# Altium PCB 全兼容主控.PCBDOC (part 8 of 9) (continued)
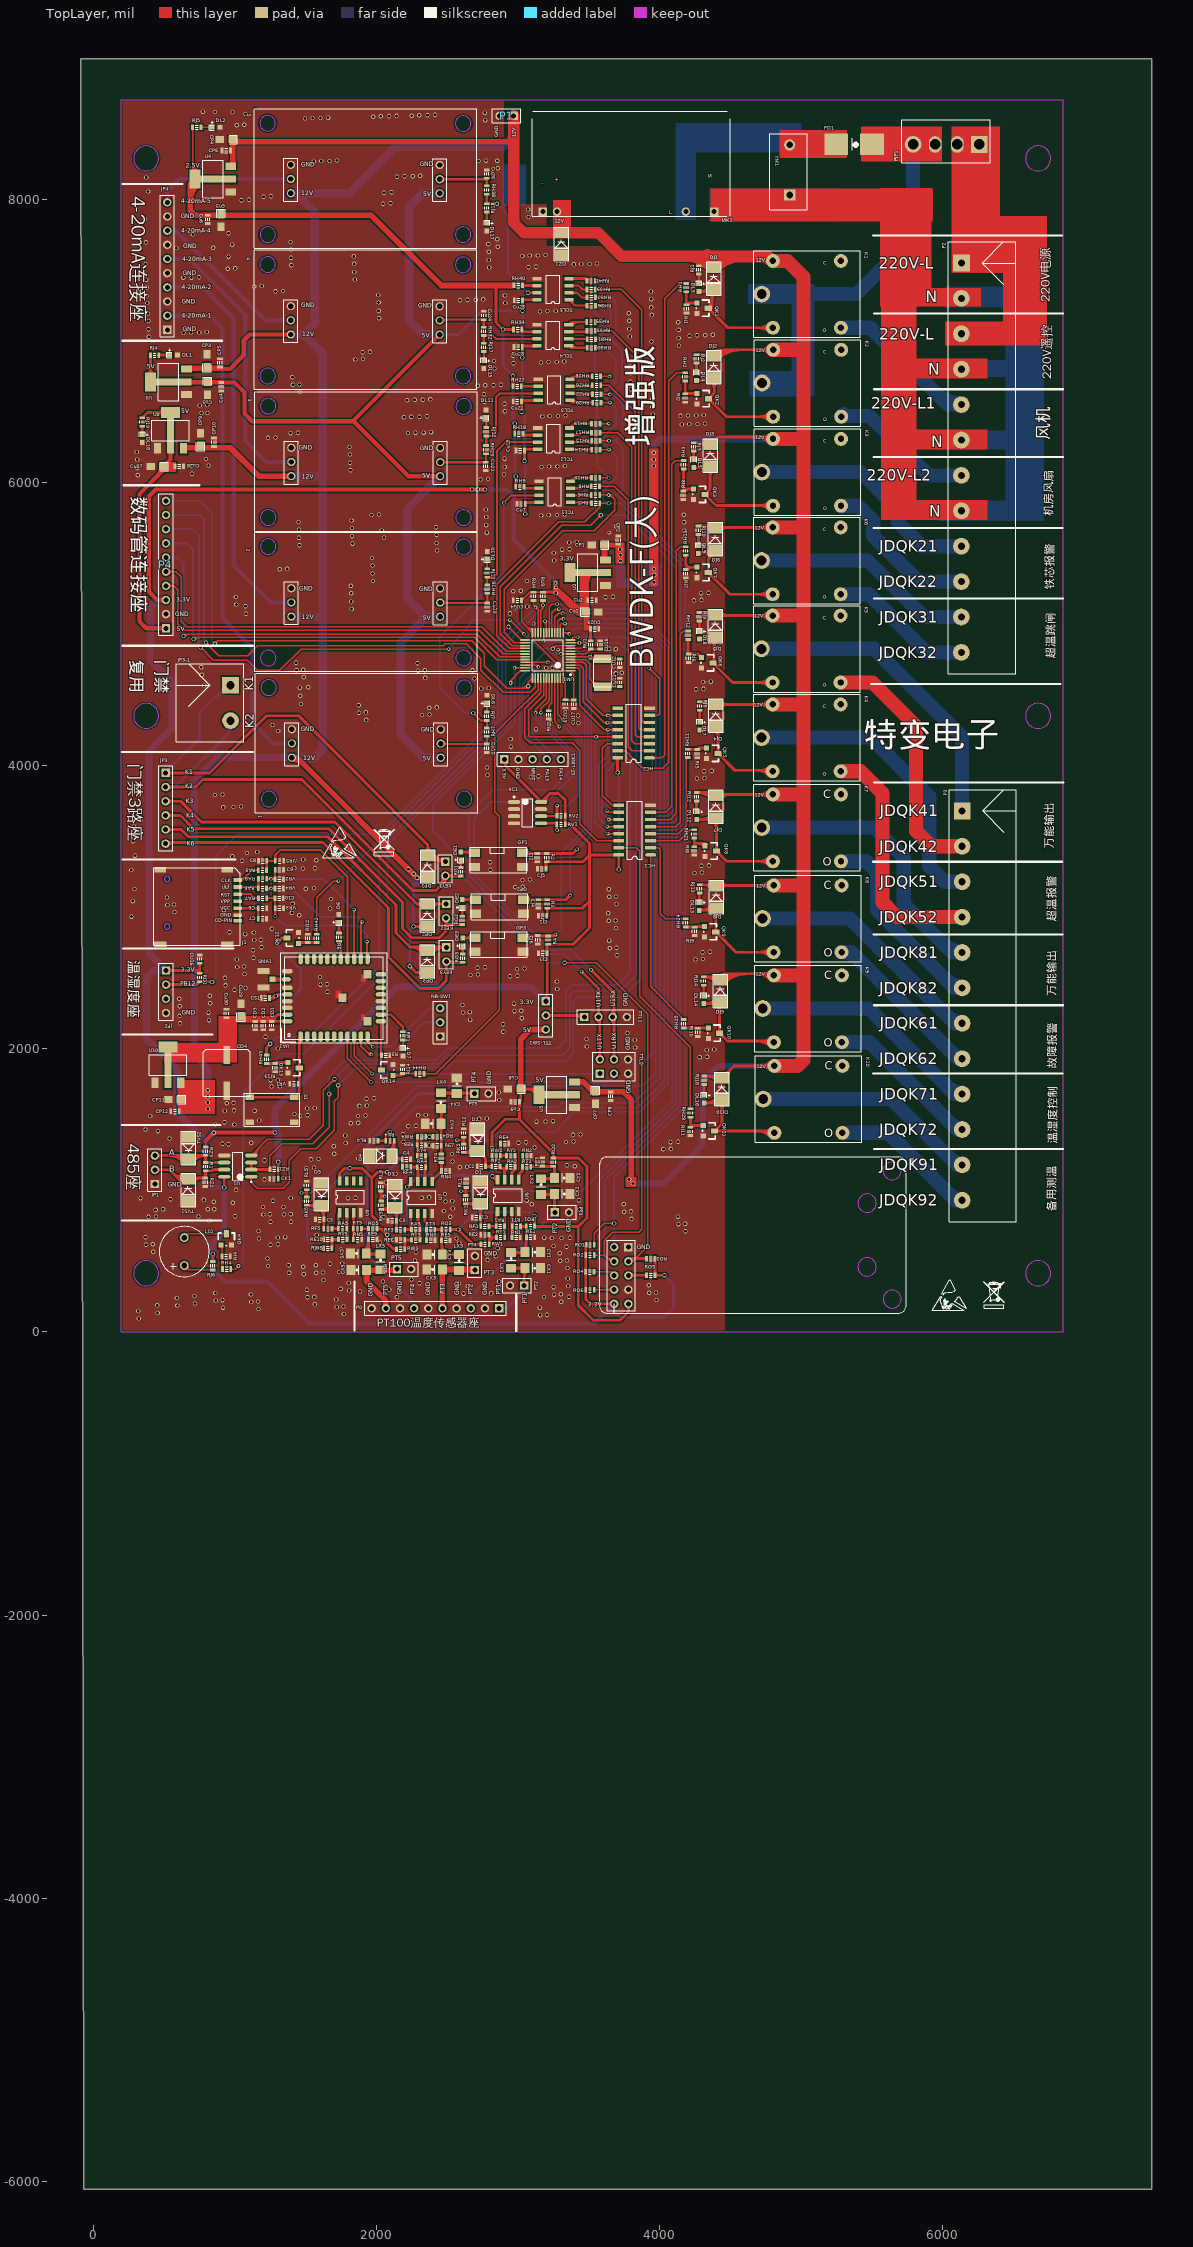
[diagram p0: TopLayer view]
## Nets (pads, with @x,y where several pads share a name; then routed paths per layer and width w, separated by ;. In a path a pad name is that pad's centre, name@x,y a point inside that pad or via, vN(x,y) a via of type N, cw(c..) or ccw(c..) an arc to the next point about the centre after c; other vN are vias at no path point) (continued)
  TopLayer w30: P4.3@508.09,5163.49 P4.3@513.73,5169.12 450.7,5169.12 391.8,5228.03 391.8,5899.82 441.88,5949.9 v1(2766.04,5949.9) ; 793.55,1348.15 853.24,1407.84 v1(1283.42,1407.84) ; 478.66,5169.12 cw(c478.66,5134.05) P4.3@503.46,5158.85 ; 478.66,5169.12 ccw(c478.66,5204.2) P4.3@503.46,5179.4 ; 478.66,5169.12 cw(c478.66,5134.05) P4.3@503.46,5158.85 ; 478.66,5169.12 ccw(c478.66,5204.2) P4.3@503.46,5179.4 ; 478.66,5169.12 cw(c478.66,5134.05) P4.3@503.46,5158.85 ; 478.66,5169.12 ccw(c478.66,5204.2) P4.3@503.46,5179.4
  BottomLayer w20: W1.10@3679.8,198.06 3679.8,144.93 3723.51,101.23 4031.96,101.23 4098.85,168.11 4098.85,336.2 v1(4034.85,400.2) ; v1(3703.94,3950.86) 3711.74,3943.06 v1(3711.74,3265.91) ; W1.10@3665.99,184.25 cw(c3632.66,150.92) 3679.8,150.92 ; W1.10@3665.99,184.25 cw(c3632.66,150.92) 3679.8,150.92 ; W1.10@3665.99,184.25 cw(c3632.66,150.92) 3679.8,150.92 ; 3679.8,150.92 cw(c3726.94,150.92) W1.10@3693.61,184.25 ; 3679.8,150.92 cw(c3726.94,150.92) W1.10@3693.61,184.25 ; 3679.8,150.92 cw(c3726.94,150.92) W1.10@3693.61,184.25 ; v1@3700.4,3947.33 cw(c3673.04,3919.96) 3711.74,3919.96 ; v1@3700.4,3947.33 cw(c3673.04,3919.96) 3711.74,3919.96 ; v1@3700.4,3947.33 cw(c3673.04,3919.96) 3711.74,3919.96
  BottomLayer w30: 793.55,1348.15 793.55,1061.38 835.84,1019.09 v1(925.45,1019.09) ; 844.36,582.47 844.36,441.59 931.07,354.89 1231.75,354.89 1528.21,58.42 3540.16,58.42 W1.10@3679.8,198.06 ; v1(2766.04,5949.9) 2919.23,5949.9 2970.85,5898.28 2970.85,5591.59 3266.53,5295.91 v1(3266.53,5218.42) ; 3655,173.26 cw(c3679.8,148.46) W1.10@3679.8,183.53 ; 3655,173.26 ccw(c3630.2,198.06) W1.10@3665.27,198.06 ; 3655,173.26 cw(c3679.8,148.46) W1.10@3679.8,183.53 ; 3655,173.26 ccw(c3630.2,198.06) W1.10@3665.27,198.06 ; 3655,173.26 cw(c3679.8,148.46) W1.10@3679.8,183.53 ; 3655,173.26 ccw(c3630.2,198.06) W1.10@3665.27,198.06
  BottomLayer w40: 844.36,582.47 844.36,626.36 925.45,707.45 v1(925.45,1019.09)
  BottomLayer w50: P4.3@513.73,5169.12 455.69,5169.12 403.57,5117 403.57,4741.08 557.72,4586.93 557.72,4265.95 395.24,4103.46 395.24,2670.58 JP2.1@513.62,2552.2 425.53,2552.2 377.32,2503.99 377.32,2069.9 591.25,1855.97 591.25,1550.44 793.55,1348.15 v1(851.08,1405.68) ; v1(1307.33,1200.58) 1307.33,1383.93 v1(1283.42,1407.84) 1283.42,1573.78 2146.19,2436.55 3094.76,2436.55 TTL-SW1.1@3196.42,2334.88 ; v1@1290.49,1414.91 cw(c1249.84,1374.26) 1307.33,1374.26 ; v1@1290.49,1414.91 cw(c1249.84,1374.26) 1307.33,1374.26 ; v1@1290.49,1414.91 cw(c1249.84,1374.26) 1307.33,1374.26 ; v1@1290.49,1414.91 cw(c1249.84,1374.26) 1307.33,1374.26 ; v1@1290.49,1414.91 cw(c1249.84,1374.26) 1307.33,1374.26 ; v1@1290.49,1414.91 cw(c1249.84,1374.26) 1307.33,1374.26
  other v1: 2674.74,5949.9 2715.46,5949.9
  other v2: 3267.93,5256.57 3265.13,5289.79
VCC5V2: Cu27.1 Cu28.2 P4.1 RJ19.1 U8.2 | length 2949.6
  TopLayer w20: RJ19.1@345.15,6455.25 382.79,6492.9 U8.2@545.72,6492.9 ; RJ19.1@354.83,6455.25 cw(c378.21,6455.25) 361.68,6471.78 ; RJ19.1@354.83,6455.25 cw(c378.21,6455.25) 361.68,6471.78 ; RJ19.1@354.83,6455.25 cw(c378.21,6455.25) 361.68,6471.78 ; 448.65,6492.9 cw(c448.65,6424.37) U8.2@497.11,6472.83 ; 448.65,6492.9 ccw(c448.65,6561.43) U8.2@497.11,6512.97 ; 448.65,6492.9 cw(c448.65,6424.37) U8.2@497.11,6472.83 ; 448.65,6492.9 ccw(c448.65,6561.43) U8.2@497.11,6512.97 ; 448.65,6492.9 cw(c448.65,6424.37) U8.2@497.11,6472.83 ; 448.65,6492.9 ccw(c448.65,6561.43) U8.2@497.11,6512.97 ; 473.06,6492.9 cw(c473.06,6405.15) U8.2@535.11,6467.2 ; 473.06,6492.9 cw(c473.06,6405.15) U8.2@535.11,6467.2 ; 473.06,6492.9 cw(c473.06,6405.15) U8.2@535.11,6467.2 ; U8.2@521.35,6492.9 cw(c521.35,6453.43) U8.2@549.26,6481.34 ; U8.2@521.35,6492.9 cw(c521.35,6453.43) U8.2@549.26,6481.34 ; U8.2@521.35,6492.9 cw(c521.35,6453.43) U8.2@549.26,6481.34
  TopLayer w30: Cu27.1@495.62,6111.95 545.41,6161.74 U8.2@545.41,6289.38 ; Cu27.1@509.03,6113.2 509.03,6100.3 326.14,5917.4 326.14,5017.48 374.49,4969.12 P4.1@513.73,4969.12 ; 452.29,6043.56 ccw(c383.9,6111.95) Cu27.1@480.62,6111.95 ; 452.29,6043.56 ccw(c383.9,6111.95) Cu27.1@480.62,6111.95 ; 452.29,6043.56 ccw(c383.9,6111.95) Cu27.1@480.62,6111.95 ; 478.66,4969.12 cw(c478.66,4934.05) P4.1@503.46,4958.85 ; 478.66,4969.12 ccw(c478.66,5004.2) P4.1@503.46,4979.4 ; 478.66,4969.12 cw(c478.66,4934.05) P4.1@503.46,4958.85 ; 478.66,4969.12 ccw(c478.66,5004.2) P4.1@503.46,4979.4 ; 478.66,4969.12 cw(c478.66,4934.05) P4.1@503.46,4958.85 ; 478.66,4969.12 ccw(c478.66,5004.2) P4.1@503.46,4979.4 ; Cu27.1@510.62,6111.95 cw(c546.84,6111.95) 521.23,6137.56 ; Cu27.1@510.62,6111.95 cw(c546.84,6111.95) 521.23,6137.56 ; Cu27.1@510.62,6111.95 cw(c546.84,6111.95) 521.23,6137.56
VCC5V3: 1.6 2.6 3.6 4.6 5.6 Cu3.1 Cu4.2 Cu7.1 Cu15.1 Cu21.1 Cu23.1 Cu25.1 RJ4.1 TCL1.8 TCL2.8 TCL3.8 TCL4.8 TCL5.8 U3.2 | length 11726.4
  TopLayer w20: RJ4.1@403.88,6898.19 403.88,6727.06 U3.2@407.14,6723.81 ; v1(3025.36,6497.84) Cu21.1@3025.36,6571.25 3032.49,6578.38 TCL3.8@3143.49,6578.38 ; v1(3030.4,6882.29) Cu23.1@3030.4,6955.69 3037.84,6963.13 TCL4.8@3134.49,6963.13 ; v1(3031.96,7211.65) Cu25.1@3031.96,7285.05 3036.06,7289.15 TCL5.8@3135.33,7289.15 ; v1(3045.38,6151.5) Cu15.1@3045.38,6224.9 3053.98,6233.5 TCL2.8@3139.13,6233.5 ; v1(3051.25,5775.88) Cu7.1@3051.25,5849.29 3060.04,5858.08 TCL1.8@3147.46,5858.08 ; U3.2@385.67,6758.33 ccw(c341.71,6802.29) 403.88,6802.29 ; U3.2@385.67,6758.33 ccw(c341.71,6802.29) 403.88,6802.29 ; U3.2@385.67,6758.33 ccw(c341.71,6802.29) 403.88,6802.29 ; U3.2@403.88,6738.58 ccw(c449.71,6738.58) U3.2@417.3,6706.18 ; U3.2@403.88,6738.58 ccw(c449.71,6738.58) U3.2@417.3,6706.18 ; U3.2@403.88,6738.58 ccw(c449.71,6738.58) U3.2@417.3,6706.18 ; 403.88,6786.87 ccw(c497.99,6786.87) U3.2@431.44,6720.32 ; 403.88,6786.87 ccw(c497.99,6786.87) U3.2@431.44,6720.32 ; 403.88,6786.87 ccw(c497.99,6786.87) U3.2@431.44,6720.32 ; 403.88,6811.28 ccw(c478.77,6811.28) U3.2@425.81,6758.33 ; 403.88,6811.28 ccw(c478.77,6811.28) U3.2@425.81,6758.33 ; 403.88,6811.28 ccw(c478.77,6811.28) U3.2@425.81,6758.33 ; Cu25.1@3031.85,7285.16 cw(c3041.47,7275.54) Cu25.1@3041.47,7289.15 ; Cu25.1@3031.85,7285.16 cw(c3041.47,7275.54) Cu25.1@3041.47,7289.15 ; Cu25.1@3031.85,7285.16 cw(c3041.47,7275.54) Cu25.1@3041.47,7289.15
  TopLayer w30: U3.2@587.07,6702.15 591.92,6706.99 Cu4.2@915.54,6706.99 ; Cu4.2@904.19,6704.78 997.47,6704.78 1067.86,6634.4 1067.86,6486.66 1123.53,6430.98 1839.06,6430.98 ; 4.6@2446.55,7043.3 1839.06,6435.81 1839.06,6430.98 ; 3.6@2450.21,6042.82 2227.22,6042.82 1839.06,6430.98 ; U3.2@677.91,6716.78 ccw(c701.55,6740.42) 701.55,6706.99 ; U3.2@677.91,6716.78 ccw(c701.55,6740.42) 701.55,6706.99 ; U3.2@677.91,6716.78 ccw(c701.55,6740.42) 701.55,6706.99 ; 778.08,6706.99 ccw(c778.08,6737.62) Cu3.1@799.73,6715.96 ; 778.08,6706.99 ccw(c778.08,6737.62) Cu3.1@799.73,6715.96 ; 778.08,6706.99 ccw(c778.08,6737.62) Cu3.1@799.73,6715.96 ; Cu3.1@813.88,6715.96 ccw(c835.53,6737.62) 835.53,6706.99 ; Cu3.1@813.88,6715.96 ccw(c835.53,6737.62) 835.53,6706.99 ; Cu3.1@813.88,6715.96 ccw(c835.53,6737.62) 835.53,6706.99 ; 2416.41,6042.82 cw(c2416.41,6009.02) 3.6@2440.31,6032.92 ; 2416.41,6042.82 ccw(c2416.41,6076.62) 3.6@2440.31,6052.72 ; 2416.41,6042.82 cw(c2416.41,6009.02) 3.6@2440.31,6032.92 ; 2416.41,6042.82 ccw(c2416.41,6076.62) 3.6@2440.31,6052.72 ; 2416.41,6042.82 cw(c2416.41,6009.02) 3.6@2440.31,6032.92 ; 2416.41,6042.82 ccw(c2416.41,6076.62) 3.6@2440.31,6052.72 ; 2422.65,7019.4 cw(c2446.55,6995.5) 4.6@2446.55,7029.3 ; 2422.65,7019.4 ccw(c2398.75,7043.3) 4.6@2432.55,7043.3 ; 2422.65,7019.4 cw(c2446.55,6995.5) 4.6@2446.55,7029.3 ; 2422.65,7019.4 ccw(c2398.75,7043.3) 4.6@2432.55,7043.3 ; 2422.65,7019.4 cw(c2446.55,6995.5) 4.6@2446.55,7029.3 ; 2422.65,7019.4 ccw(c2398.75,7043.3) 4.6@2432.55,7043.3
  BottomLayer w20: 4.6@2446.55,7043.3 2579.14,7043.3 2747.49,7211.65 v1(3031.96,7211.65) 3031.96,6883.86 v1(3030.4,6882.29) 3030.4,6502.89 v1(3025.36,6497.84) 3045.38,6477.82 v1(3045.38,6151.5) 3051.25,6145.63 v1(3051.25,5775.88) ; 4.6@2459.99,7029.86 cw(c2492.42,6997.43) 2492.42,7043.3 ; 4.6@2459.99,7029.86 cw(c2492.42,6997.43) 2492.42,7043.3 ; 4.6@2459.99,7029.86 cw(c2492.42,6997.43) 2492.42,7043.3 ; 4.6@2459.99,7056.73 ccw(c2492.42,7089.17) 2492.42,7043.3 ; 4.6@2459.99,7056.73 ccw(c2492.42,7089.17) 2492.42,7043.3 ; 4.6@2459.99,7056.73 ccw(c2492.42,7089.17) 2492.42,7043.3 ; v1@3021.82,6501.38 ccw(c3001.11,6522.09) 3030.4,6522.09 ; v1@3021.82,6501.38 ccw(c3001.11,6522.09) 3030.4,6522.09 ; v1@3021.82,6501.38 ccw(c3001.11,6522.09) 3030.4,6522.09 ; v1@3026.86,6885.83 ccw(c3014.55,6898.14) 3031.96,6898.14 ; v1@3026.86,6885.83 ccw(c3014.55,6898.14) 3031.96,6898.14 ; v1@3026.86,6885.83 ccw(c3014.55,6898.14) 3031.96,6898.14 ; v1@3041.84,6147.96 cw(c3019.13,6125.25) 3051.25,6125.25 ; v1@3041.84,6147.96 cw(c3019.13,6125.25) 3051.25,6125.25 ; v1@3041.84,6147.96 cw(c3019.13,6125.25) 3051.25,6125.25
  BottomLayer w60: 2354.83,5050.88 2172.78,4868.82 2172.78,4214.62 2332.55,4054.86 1.6@2454.27,4054.86 ; 4.6@2446.55,7043.3 2331.47,7043.3 2232.02,7142.75 2232.02,7949.58 2323.36,8040.93 5.6@2446.98,8040.93 ; 2.6@2450.21,5050.88 2345.73,5050.88 2218.96,5177.65 2218.96,5811.56 3.6@2450.21,6042.82
VDDIO: R6.2 UA1.24 | length 130.8
  TopLayer w20: R6.2@1735.85,2758.4 1748.53,2745.71 UA1.24@1748.53,2632.87
串1: HC1.15 RH29.2 | length 2259.6
  TopLayer w10: HC1.15@3711.74,3418.53 3834.27,3418.53 3858.73,3394.07 3858.73,2370.72 4218.27,2011.18 RH29.2@4218.27,1575.24 ; HC1.15@3742.69,3413.58 cw(c3754.64,3401.63) 3754.64,3418.53 ; HC1.15@3742.69,3413.58 cw(c3754.64,3401.63) 3754.64,3418.53 ; HC1.15@3742.69,3413.58 cw(c3754.64,3401.63) 3754.64,3418.53 ; HC1.15@3742.69,3423.48 ccw(c3754.64,3435.43) 3754.64,3418.53 ; HC1.15@3742.69,3423.48 ccw(c3754.64,3435.43) 3754.64,3418.53 ; HC1.15@3742.69,3423.48 ccw(c3754.64,3435.43) 3754.64,3418.53 ; RH29.2@4214.85,1578.66 ccw(c4206.58,1586.93) 4218.27,1586.93 ; RH29.2@4214.85,1578.66 ccw(c4206.58,1586.93) 4218.27,1586.93 ; RH29.2@4214.85,1578.66 ccw(c4206.58,1586.93) 4218.27,1586.93 ; 4218.27,1586.93 ccw(c4229.96,1586.93) RH29.2@4221.7,1578.66 ; 4218.27,1586.93 ccw(c4229.96,1586.93) RH29.2@4221.7,1578.66 ; 4218.27,1586.93 ccw(c4229.96,1586.93) RH29.2@4221.7,1578.66
串2: HC1.1 RH25.2 | length 1423.5
  TopLayer w10: HC1.1@3936.74,3368.53 3936.74,2439.17 RH25.2@4170.74,2205.16 ; HC1.1@3931.79,3363.58 cw(c3919.84,3351.63) 3936.74,3351.63 ; HC1.1@3931.79,3363.58 cw(c3919.84,3351.63) 3936.74,3351.63 ; HC1.1@3931.79,3363.58 cw(c3919.84,3351.63) 3936.74,3351.63 ; 3936.74,3351.63 cw(c3953.64,3351.63) HC1.1@3941.69,3363.58 ; 3936.74,3351.63 cw(c3953.64,3351.63) HC1.1@3941.69,3363.58 ; 3936.74,3351.63 cw(c3953.64,3351.63) HC1.1@3941.69,3363.58 ; 4145.68,2230.23 cw(c4120.61,2205.16) RH25.2@4156.06,2205.16 ; 4145.68,2230.23 cw(c4120.61,2205.16) RH25.2@4156.06,2205.16 ; 4145.68,2230.23 cw(c4120.61,2205.16) RH25.2@4156.06,2205.16
串3: HC1.2 RH24.2 | length 853.9
  TopLayer w10: HC1.2@3936.74,3418.53 3994.36,3418.53 4006.28,3406.61 4006.28,2954.65 4042.67,2918.26 RH24.2@4183.92,2918.26 ; HC1.2@3967.69,3413.58 cw(c3979.64,3401.63) 3979.64,3418.53 ; HC1.2@3967.69,3413.58 cw(c3979.64,3401.63) 3979.64,3418.53 ; HC1.2@3967.69,3413.58 cw(c3979.64,3401.63) 3979.64,3418.53 ; HC1.2@3967.69,3423.48 ccw(c3979.64,3435.43) 3979.64,3418.53 ; HC1.2@3967.69,3423.48 ccw(c3979.64,3435.43) 3979.64,3418.53 ; HC1.2@3967.69,3423.48 ccw(c3979.64,3435.43) 3979.64,3418.53 ; 4162.39,2918.26 cw(c4162.39,2906.57) RH24.2@4170.65,2914.84 ; 4162.39,2918.26 ccw(c4162.39,2929.95) RH24.2@4170.65,2921.68 ; 4162.39,2918.26 cw(c4162.39,2906.57) RH24.2@4170.65,2914.84 ; 4162.39,2918.26 ccw(c4162.39,2929.95) RH24.2@4170.65,2921.68 ; 4162.39,2918.26 cw(c4162.39,2906.57) RH24.2@4170.65,2914.84 ; 4162.39,2918.26 ccw(c4162.39,2929.95) RH24.2@4170.65,2921.68
串4: HC1.3 RH21.2 | length 474.1
  TopLayer w10: HC1.3@3936.74,3468.53 4138.97,3468.53 4216.41,3545.97 RH21.2@4243.99,3545.97 ; HC1.3@3967.69,3463.58 cw(c3979.64,3451.63) 3979.64,3468.53 ; HC1.3@3967.69,3463.58 cw(c3979.64,3451.63) 3979.64,3468.53 ; HC1.3@3967.69,3463.58 cw(c3979.64,3451.63) 3979.64,3468.53 ; HC1.3@3967.69,3473.48 ccw(c3979.64,3485.43) 3979.64,3468.53 ; HC1.3@3967.69,3473.48 ccw(c3979.64,3485.43) 3979.64,3468.53 ; HC1.3@3967.69,3473.48 ccw(c3979.64,3485.43) 3979.64,3468.53 ; 4222.46,3545.97 cw(c4222.46,3534.28) RH21.2@4230.72,3542.55 ; 4222.46,3545.97 ccw(c4222.46,3557.66) RH21.2@4230.72,3549.4 ; 4222.46,3545.97 cw(c4222.46,3534.28) RH21.2@4230.72,3542.55 ; 4222.46,3545.97 ccw(c4222.46,3557.66) RH21.2@4230.72,3549.4 ; 4222.46,3545.97 cw(c4222.46,3534.28) RH21.2@4230.72,3542.55 ; 4222.46,3545.97 ccw(c4222.46,3557.66) RH21.2@4230.72,3549.4
串5: HC1.4 RH11.2 | length 938.6
  TopLayer w10: HC1.4@3936.74,3518.53 4132.09,3518.53 4189.65,3576.09 4189.65,4045.68 ; RH11.2@4199.71,4055.74 4189.65,4045.68 ; HC1.4@3967.69,3513.58 cw(c3979.64,3501.63) 3979.64,3518.53 ; HC1.4@3967.69,3513.58 cw(c3979.64,3501.63) 3979.64,3518.53 ; HC1.4@3967.69,3513.58 cw(c3979.64,3501.63) 3979.64,3518.53 ; HC1.4@3967.69,3523.48 ccw(c3979.64,3535.43) 3979.64,3518.53 ; HC1.4@3967.69,3523.48 ccw(c3979.64,3535.43) 3979.64,3518.53 ; HC1.4@3967.69,3523.48 ccw(c3979.64,3535.43) 3979.64,3518.53 ; RH11.2@4186.45,4052.32 cw(c4178.72,4044.59) 4189.65,4044.59 ; RH11.2@4186.45,4052.32 cw(c4178.72,4044.59) 4189.65,4044.59 ; RH11.2@4186.45,4052.32 cw(c4178.72,4044.59) 4189.65,4044.59 ; RH11.2@4186.71,4052.07 cw(c4181.21,4045.67) 4189.65,4045.67 ; RH11.2@4186.71,4052.07 cw(c4181.21,4045.67) 4189.65,4045.67 ; RH11.2@4186.71,4052.07 cw(c4181.21,4045.67) 4189.65,4045.67 ; 4189.65,4043.51 cw(c4202.1,4043.51) RH11.2@4193.29,4052.32 ; 4189.65,4043.51 cw(c4202.1,4043.51) RH11.2@4193.29,4052.32 ; 4189.65,4043.51 cw(c4202.1,4043.51) RH11.2@4193.29,4052.32 ; 4189.65,4045.67 cw(c4197.34,4045.67) RH11.2@4192.76,4051.85 ; 4189.65,4045.67 cw(c4197.34,4045.67) RH11.2@4192.76,4051.85 ; 4189.65,4045.67 cw(c4197.34,4045.67) RH11.2@4192.76,4051.85
串6: HC1.5 RH12.2 | length 1748.4
  TopLayer w10: HC1.5@3936.74,3568.53 4113.33,3568.53 4145.04,3600.25 4145.04,4926.03 4168.6,4949.58 RH12.2@4201.77,4949.58 ; HC1.5@3967.69,3563.58 cw(c3979.64,3551.63) 3979.64,3568.53 ; HC1.5@3967.69,3563.58 cw(c3979.64,3551.63) 3979.64,3568.53 ; HC1.5@3967.69,3563.58 cw(c3979.64,3551.63) 3979.64,3568.53 ; HC1.5@3967.69,3573.48 ccw(c3979.64,3585.43) 3979.64,3568.53 ; HC1.5@3967.69,3573.48 ccw(c3979.64,3585.43) 3979.64,3568.53 ; HC1.5@3967.69,3573.48 ccw(c3979.64,3585.43) 3979.64,3568.53 ; 4180.24,4949.58 cw(c4180.24,4937.89) RH12.2@4188.5,4946.16 ; 4180.24,4949.58 ccw(c4180.24,4961.27) RH12.2@4188.5,4953.01 ; 4180.24,4949.58 cw(c4180.24,4937.89) RH12.2@4188.5,4946.16 ; 4180.24,4949.58 ccw(c4180.24,4961.27) RH12.2@4188.5,4953.01 ; 4180.24,4949.58 cw(c4180.24,4937.89) RH12.2@4188.5,4946.16 ; 4180.24,4949.58 ccw(c4180.24,4961.27) RH12.2@4188.5,4953.01
串7: HC1.6 RH13.2 | length 2267.5
  TopLayer w10: HC1.6@3936.74,3618.53 4074.49,3618.53 4118.28,3662.32 4118.28,5517.75 4145.06,5544.52 RH13.2@4184.91,5544.52 ; HC1.6@3967.69,3613.58 cw(c3979.64,3601.63) 3979.64,3618.53 ; HC1.6@3967.69,3613.58 cw(c3979.64,3601.63) 3979.64,3618.53 ; HC1.6@3967.69,3613.58 cw(c3979.64,3601.63) 3979.64,3618.53 ; HC1.6@3967.69,3623.48 ccw(c3979.64,3635.43) 3979.64,3618.53 ; HC1.6@3967.69,3623.48 ccw(c3979.64,3635.43) 3979.64,3618.53 ; HC1.6@3967.69,3623.48 ccw(c3979.64,3635.43) 3979.64,3618.53 ; 4163.37,5544.52 cw(c4163.37,5532.83) RH13.2@4171.64,5541.1 ; 4163.37,5544.52 ccw(c4163.37,5556.21) RH13.2@4171.64,5547.94 ; 4163.37,5544.52 cw(c4163.37,5532.83) RH13.2@4171.64,5541.1 ; 4163.37,5544.52 ccw(c4163.37,5556.21) RH13.2@4171.64,5547.94 ; 4163.37,5544.52 cw(c4163.37,5532.83) RH13.2@4171.64,5541.1 ; 4163.37,5544.52 ccw(c4163.37,5556.21) RH13.2@4171.64,5547.94
串8: HC1.7 RH3.2 | length 2813.4
  TopLayer w10: HC1.7@3936.74,3668.53 4045.2,3668.53 4087.56,3710.89 4087.56,6129.28 4111.42,6153.15 RH3.2@4169.63,6153.15 ; HC1.7@3967.69,3663.58 cw(c3979.64,3651.63) 3979.64,3668.53 ; HC1.7@3967.69,3663.58 cw(c3979.64,3651.63) 3979.64,3668.53 ; HC1.7@3967.69,3663.58 cw(c3979.64,3651.63) 3979.64,3668.53 ; HC1.7@3967.69,3673.48 ccw(c3979.64,3685.43) 3979.64,3668.53 ; HC1.7@3967.69,3673.48 ccw(c3979.64,3685.43) 3979.64,3668.53 ; HC1.7@3967.69,3673.48 ccw(c3979.64,3685.43) 3979.64,3668.53 ; 4148.1,6153.15 cw(c4148.1,6141.46) RH3.2@4156.37,6149.72 ; 4148.1,6153.15 ccw(c4148.1,6164.84) RH3.2@4156.37,6156.57 ; 4148.1,6153.15 cw(c4148.1,6141.46) RH3.2@4156.37,6149.72 ; 4148.1,6153.15 ccw(c4148.1,6164.84) RH3.2@4156.37,6156.57 ; 4148.1,6153.15 cw(c4148.1,6141.46) RH3.2@4156.37,6149.72 ; 4148.1,6153.15 ccw(c4148.1,6164.84) RH3.2@4156.37,6156.57
串9: HC2.15 RH2.2 | length 3399
  TopLayer w10: HC2.15@3703.94,4103.48 3758.4,4103.48 3880.41,3981.47 4023.13,3981.47 4063.77,4022.11 4063.77,6716.66 4121.26,6774.15 4170.71,6774.15 RH2.2@4179.04,6782.49 ; HC2.15@3734.89,4098.53 cw(c3746.84,4086.58) 3746.84,4103.48 ; HC2.15@3734.89,4098.53 cw(c3746.84,4086.58) 3746.84,4103.48 ; HC2.15@3734.89,4098.53 cw(c3746.84,4086.58) 3746.84,4103.48 ; HC2.15@3734.89,4108.43 ccw(c3746.84,4120.38) 3746.84,4103.48 ; HC2.15@3734.89,4108.43 ccw(c3746.84,4120.38) 3746.84,4103.48 ; HC2.15@3734.89,4108.43 ccw(c3746.84,4120.38) 3746.84,4103.48 ; 4158.37,6774.15 cw(c4158.37,6762.46) RH2.2@4166.64,6770.73 ; 4158.37,6774.15 ccw(c4158.37,6785.84) RH2.2@4166.64,6777.58 ; 4158.37,6774.15 cw(c4158.37,6762.46) RH2.2@4166.64,6770.73 ; 4158.37,6774.15 ccw(c4158.37,6785.84) RH2.2@4166.64,6777.58 ; 4158.37,6774.15 cw(c4158.37,6762.46) RH2.2@4166.64,6770.73 ; 4158.37,6774.15 ccw(c4158.37,6785.84) RH2.2@4166.64,6777.58
串10: HC2.1 RH1.2 | length 3670.8
  TopLayer w10: HC2.1@3928.94,4053.48 4016.84,4053.48 4036.02,4072.66 4036.02,7295.86 4145.12,7404.96 RH1.2@4188.69,7404.96 ; HC2.1@3959.89,4048.53 cw(c3971.84,4036.58) 3971.84,4053.48 ; HC2.1@3959.89,4048.53 cw(c3971.84,4036.58) 3971.84,4053.48 ; HC2.1@3959.89,4048.53 cw(c3971.84,4036.58) 3971.84,4053.48 ; HC2.1@3959.89,4058.43 ccw(c3971.84,4070.38) 3971.84,4053.48 ; HC2.1@3959.89,4058.43 ccw(c3971.84,4070.38) 3971.84,4053.48 ; HC2.1@3959.89,4058.43 ccw(c3971.84,4070.38) 3971.84,4053.48 ; 4167.16,7404.96 cw(c4167.16,7393.27) RH1.2@4175.43,7401.54 ; 4167.16,7404.96 ccw(c4167.16,7416.65) RH1.2@4175.43,7408.38 ; 4167.16,7404.96 cw(c4167.16,7393.27) RH1.2@4175.43,7401.54 ; 4167.16,7404.96 ccw(c4167.16,7416.65) RH1.2@4175.43,7408.38 ; 4167.16,7404.96 cw(c4167.16,7393.27) RH1.2@4175.43,7401.54 ; 4167.16,7404.96 ccw(c4167.16,7416.65) RH1.2@4175.43,7408.38
pads on no net: GP1.0 GP2.0 GP3.0 HC2.9 J1.1 J1.4 JP2.3 K1.2 K2.2 K3.2 K4.2 K5.2 K6.2 K7.2 K8.2 K9.2 K10.2 U9.5 U9.6 U9.7 UA1.16 UA1.17

## Polygon pours and split planes (outlines as drawn)
IN-1 on TopLayer "TopLayer-IN-1" (solid, remove dead copper, pour order 0): 159.13,8731.72 2899.25,8731.72 2899.25,7962.71 3198.76,7962.71 3198.76,7667.24 4461.56,7667.24 4461.56,-18.85 155.08,-18.85
IN-1 on BottomLayer "BottomLayer-IN-1" (solid, remove dead copper, pour order 2): 159.17,8765.32 2897.92,8765.32 2897.92,7959.32 3212.06,7959.32 3212.06,7662.77 3709.66,7662.77 3709.66,7557.21 4461.09,7557.21 4461.09,-40.02 157.76,-40.02

## Keep-outs
KeepOutLayer:
  circle w0.5: c6673.23,4350.39 r88.58
  circle w0.5: c6673.23,8287.4 r88.58
  circle w0.5: c6673.23,413.39 r88.58
  circle w0.5: c374.02,413.39 r88.58
  circle w0.5: c374.02,8287.4 r88.58
  circle w0.25: c6673.23,8287.4 r0.12
  circle w0.25: c6673.23,8287.4 r0.12
  circle w0.25: c6673.23,413.39 r0.12
  circle w0.25: c6673.23,8287.4 r0.12
  circle w0.25: c451.51,8330.31 r0.12
  circle w0.25: c7047.24,8700.79 r0.12
  circle w0.25: c0,8700.79 r0.12
  circle w0.25: c0,8700.79 r0.12
  circle w0.5: c374.14,4350.39 r88.58
  circle w0.25: c196.73,0 r0.12
  lines w0.5: 196.73,0 196.73,8700.79 6850.39,8700.79 6850.39,0 196.85,0

## Other copper
TopLayer:
  rectangle net VCC5V2: 481.53,6074.17 585.01,6143.96
  rectangle net +12V: 4264.83,7524.97 4420.16,7623.96
  rectangle net N: 5562.19,6732.45 6315.97,6873.64
  rectangle net N: 5562.19,6232.45 6315.97,6373.64
  rectangle net N: 5562.19,5732.45 6315.97,5873.64
  rectangle net N: 5562.19,5732.45 5815.84,7405.14
  rectangle net N: 4358.52,7843.05 5930.71,8075.17
  rectangle net N: 5557.4,7242.42 5921.13,8077.56
  rectangle net N: 5557.4,7242.42 6270.51,7374.03
  rectangle net 220V-L: 6062.32,7479.32 6734.74,7881.34
  rectangle net 220V-L: 6426.05,6967.22 6734.74,7881.34
  rectangle net 220V-L: 6014.46,6967.22 6734.74,7134.73
  rectangle net 220V-L: 6062.32,7479.32 6404.51,8513.08
  rectangle net L: 5423.78,8266.2 5995.83,8514.64
  rectangle net LIN: 4846.82,8289.09 5324.08,8486.85
  rectangle net VBAT: 886.3,1902.09 1015.34,2230.48
  rectangle net VBAT: 500.84,1902.09 1015.34,2041.61
  rectangle net IN-1: 1892.42,2200.65 1923.61,2245.41
  rectangle net IN-1: 1891.97,2470.08 1928.14,2523.43
  rectangle net IN-1: 1711.14,2355.26 1750.02,2409.96
  rectangle net +12V: 3758.88,1024.52 3835.57,1093.07
  rectangle net +12V: 3926.17,5265.26 3990.81,6239.59
  rectangle net +12V: 3690.32,5427.3 3751.91,5574.29
  rectangle net +12V: 3590.97,5538.27 3751.91,5574.29
  rectangle net +12V: 3590.97,5438.34 3631.06,5574.29
  rectangle net +12V: 3248.9,7729.13 3374.65,7995.37
  rectangle net VBAT: 886.3,2193.89 1291.86,2230.48
  rectangle net +12V: 597.39,1538.8 860.01,1777.39
  region net VCC3.3: 3242.55,5232.9 3441.37,5060.51 3470.69,5094.32 3271.87,5266.71
  rectangle net VCC3.3: 3245.67,5224.2 3280.76,5305.77
  rectangle net VCC3.3: 3435.38,5068.43 3495.59,5367.9
  rectangle net VCC3.3: 3463.76,4954.56 3511.63,4977.49
  rectangle net VCC3.3: 3463.76,4954.56 3493.28,5087.16
BottomLayer:
  rectangle net IN-1: 2889.24,7953.29 3057.83,8243.09
  rectangle net L: 4635.83,6607.67 5095.42,6786.95
  rectangle net L: 4933.25,6607.67 5095.42,7400.71
  rectangle net L: 4624.74,7260.29 5042.02,7400.71
  rectangle net LIN: 4114.11,7852.62 4255.63,8538.11
  rectangle net LIN: 4114.11,8329.64 5003.02,8538.11
  rectangle net N: 4348.64,7843.19 5275.2,8077.73
  rectangle net N: 5992.49,6231.71 6697.33,6364.41
  rectangle net N: 6009.89,6745.11 6699.5,6864.76
  rectangle net N: 6016.42,7234.58 6715.6,7382.28
  rectangle net N: 6444.75,5727.66 6715.6,7382.28
  rectangle net N: 5968.99,5727.66 6715.6,5871.24
  region net +12V: 2191.17,3272.95 2259.49,3209.65 2287.58,3239.96 2219.25,3303.26
  rectangle net +12V: 2252.7,3152.07 2306.16,3239.31
  rectangle net +12V: 3915.17,5251.95 4015.19,5426.72
  rectangle net +12V: 3692.28,5251.95 4015.19,5321.36
  rectangle net +12V: 3692.28,5251.95 3751.61,5546.4
  rectangle net VCC3.3: 2652.61,5936.28 2795.53,5963.74